# Altium PCB Mutiple.PcbDoc (part 1 of 3) (continued)
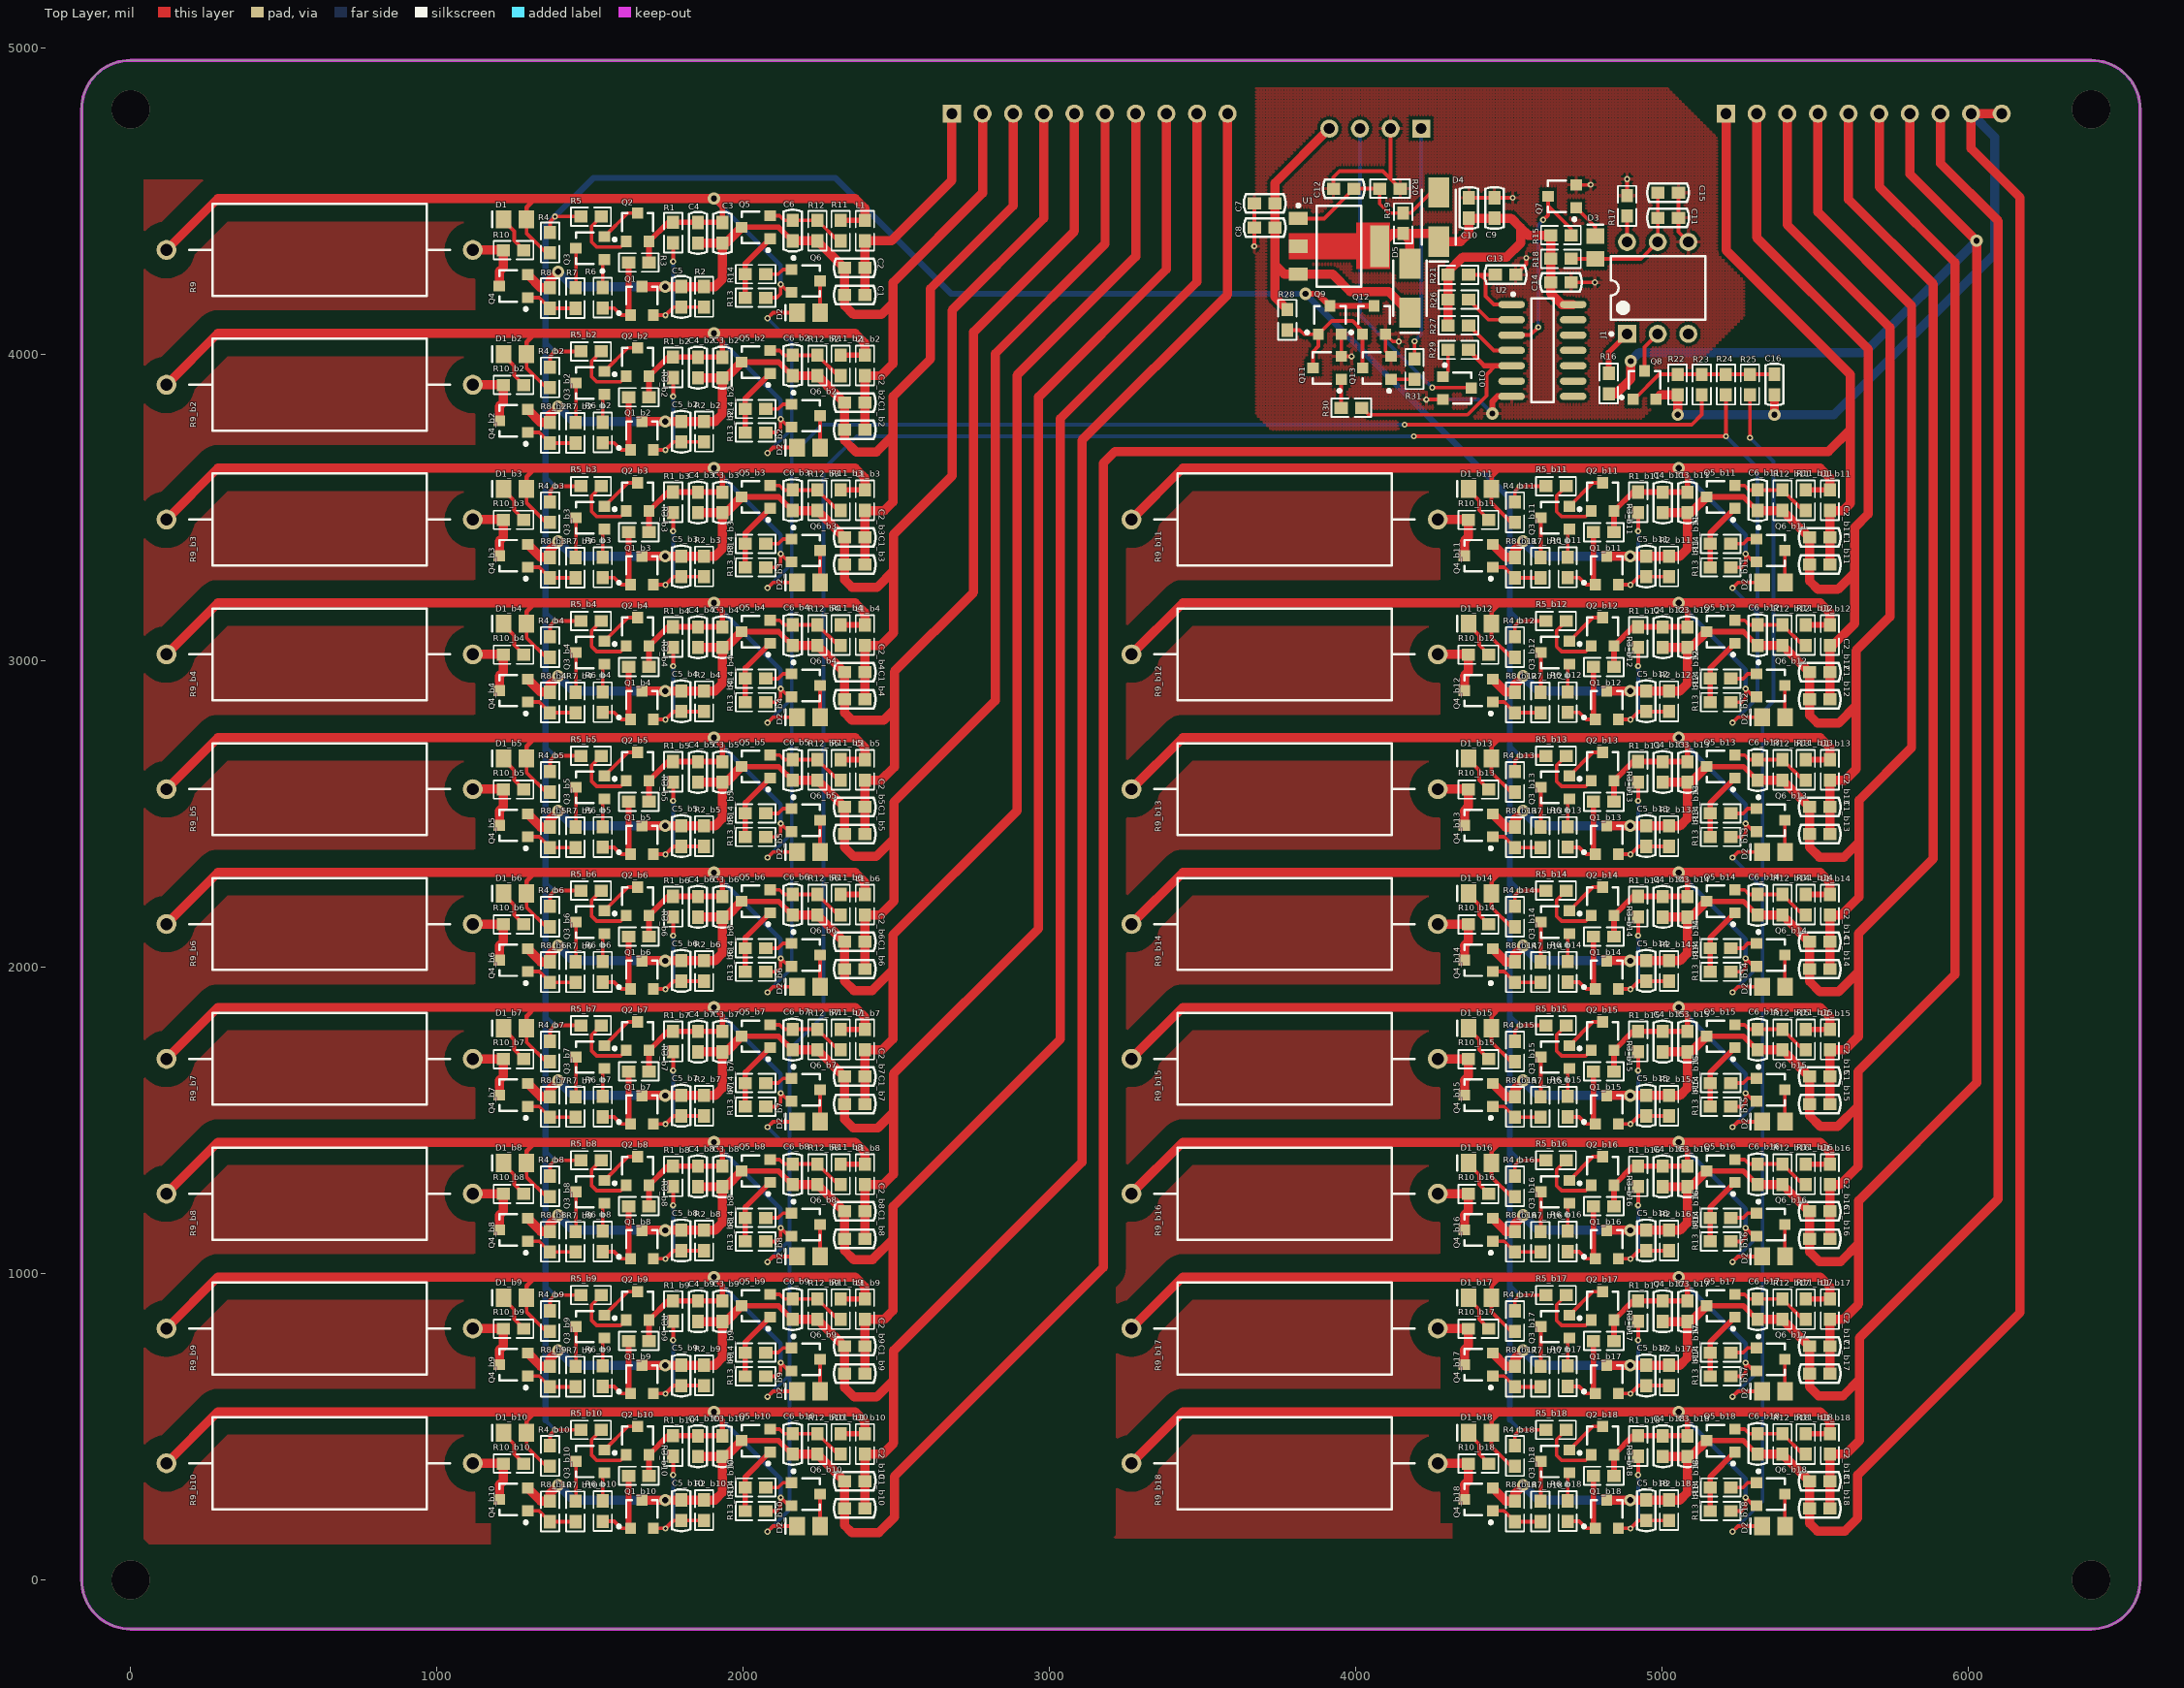
[diagram p0: Top Layer view]
## Components (designator, comment, footprint, x,y, rotation, side; value= is the part's Value field where it differs from the comment)
C1 "Cap-S" C-0603 2364,4194 r0 top
C1_b2 "Cap-S" C-0603 2364,3754 r0 top (schematic designator C1)
C1_b3 "Cap-S" C-0603 2364,3314 r0 top (schematic designator C1)
C1_b4 "Cap-S" C-0603 2364,2874 r0 top (schematic designator C1)
C1_b5 "Cap-S" C-0603 2364,2434 r0 top (schematic designator C1)
C1_b6 "Cap-S" C-0603 2364,1994 r0 top (schematic designator C1)
C1_b7 "Cap-S" C-0603 2364,1554 r0 top (schematic designator C1)
C1_b8 "Cap-S" C-0603 2364,1114 r0 top (schematic designator C1)
C1_b9 "Cap-S" C-0603 2364,674 r0 top (schematic designator C1)
C1_b10 "Cap-S" C-0603 2364,234 r0 top (schematic designator C1)
C1_b11 "Cap-S" C-0603 5514,3314 r0 top (schematic designator C1)
C1_b12 "Cap-S" C-0603 5514,2874 r0 top (schematic designator C1)
C1_b13 "Cap-S" C-0603 5514,2434 r0 top (schematic designator C1)
C1_b14 "Cap-S" C-0603 5514,1994 r0 top (schematic designator C1)
C1_b15 "Cap-S" C-0603 5514,1554 r0 top (schematic designator C1)
C1_b16 "Cap-S" C-0603 5514,1114 r0 top (schematic designator C1)
C1_b17 "Cap-S" C-0603 5514,674 r0 top (schematic designator C1)
C1_b18 "Cap-S" C-0603 5514,234 r0 top (schematic designator C1)
C2 "Cap-S" C-0603 2364,4283 r0 top
C2_b2 "Cap-S" C-0603 2364,3843 r0 top (schematic designator C2)
C2_b3 "Cap-S" C-0603 2364,3403 r0 top (schematic designator C2)
C2_b4 "Cap-S" C-0603 2364,2963 r0 top (schematic designator C2)
C2_b5 "Cap-S" C-0603 2364,2523 r0 top (schematic designator C2)
C2_b6 "Cap-S" C-0603 2364,2083 r0 top (schematic designator C2)
C2_b7 "Cap-S" C-0603 2364,1643 r0 top (schematic designator C2)
C2_b8 "Cap-S" C-0603 2364,1203 r0 top (schematic designator C2)
C2_b9 "Cap-S" C-0603 2364,763 r0 top (schematic designator C2)
C2_b10 "Cap-S" C-0603 2364,323 r0 top (schematic designator C2)
C2_b11 "Cap-S" C-0603 5514,3403 r0 top (schematic designator C2)
C2_b12 "Cap-S" C-0603 5514,2963 r0 top (schematic designator C2)
C2_b13 "Cap-S" C-0603 5514,2523 r0 top (schematic designator C2)
C2_b14 "Cap-S" C-0603 5514,2083 r0 top (schematic designator C2)
C2_b15 "Cap-S" C-0603 5514,1643 r0 top (schematic designator C2)
C2_b16 "Cap-S" C-0603 5514,1203 r0 top (schematic designator C2)
C2_b17 "Cap-S" C-0603 5514,763 r0 top (schematic designator C2)
C2_b18 "Cap-S" C-0603 5514,323 r0 top (schematic designator C2)
C3 "Cap-S" C-0603 1932,4397 r90 top
C3_b2 "Cap-S" C-0603 1932,3957 r90 top (schematic designator C3)
C3_b3 "Cap-S" C-0603 1932,3517 r90 top (schematic designator C3)
C3_b4 "Cap-S" C-0603 1932,3077 r90 top (schematic designator C3)
C3_b5 "Cap-S" C-0603 1932,2637 r90 top (schematic designator C3)
C3_b6 "Cap-S" C-0603 1932,2197 r90 top (schematic designator C3)
C3_b7 "Cap-S" C-0603 1932,1757 r90 top (schematic designator C3)
C3_b8 "Cap-S" C-0603 1932,1317 r90 top (schematic designator C3)
C3_b9 "Cap-S" C-0603 1932,877 r90 top (schematic designator C3)
C3_b10 "Cap-S" C-0603 1932,437 r90 top (schematic designator C3)
C3_b11 "Cap-S" C-0603 5082,3517 r90 top (schematic designator C3)
C3_b12 "Cap-S" C-0603 5082,3077 r90 top (schematic designator C3)
C3_b13 "Cap-S" C-0603 5082,2637 r90 top (schematic designator C3)
C3_b14 "Cap-S" C-0603 5082,2197 r90 top (schematic designator C3)
C3_b15 "Cap-S" C-0603 5082,1757 r90 top (schematic designator C3)
C3_b16 "Cap-S" C-0603 5082,1317 r90 top (schematic designator C3)
C3_b17 "Cap-S" C-0603 5082,877 r90 top (schematic designator C3)
C3_b18 "Cap-S" C-0603 5082,437 r90 top (schematic designator C3)
C4 "Cap-S" C-0603 1852,4397 r90 top
C4_b2 "Cap-S" C-0603 1852,3957 r90 top (schematic designator C4)
C4_b3 "Cap-S" C-0603 1852,3517 r90 top (schematic designator C4)
C4_b4 "Cap-S" C-0603 1852,3077 r90 top (schematic designator C4)
C4_b5 "Cap-S" C-0603 1852,2637 r90 top (schematic designator C4)
C4_b6 "Cap-S" C-0603 1852,2197 r90 top (schematic designator C4)
C4_b7 "Cap-S" C-0603 1852,1757 r90 top (schematic designator C4)
C4_b8 "Cap-S" C-0603 1852,1317 r90 top (schematic designator C4)
C4_b9 "Cap-S" C-0603 1852,877 r90 top (schematic designator C4)
C4_b10 "Cap-S" C-0603 1852,437 r90 top (schematic designator C4)
C4_b11 "Cap-S" C-0603 5002,3517 r90 top (schematic designator C4)
C4_b12 "Cap-S" C-0603 5002,3077 r90 top (schematic designator C4)
C4_b13 "Cap-S" C-0603 5002,2637 r90 top (schematic designator C4)
C4_b14 "Cap-S" C-0603 5002,2197 r90 top (schematic designator C4)
C4_b15 "Cap-S" C-0603 5002,1757 r90 top (schematic designator C4)
C4_b16 "Cap-S" C-0603 5002,1317 r90 top (schematic designator C4)
C4_b17 "Cap-S" C-0603 5002,877 r90 top (schematic designator C4)
C4_b18 "Cap-S" C-0603 5002,437 r90 top (schematic designator C4)
C5 "Cap-S" C-0603 1798,4188 r270 top
C5_b2 "Cap-S" C-0603 1798,3748 r270 top (schematic designator C5)
C5_b3 "Cap-S" C-0603 1798,3308 r270 top (schematic designator C5)
C5_b4 "Cap-S" C-0603 1798,2868 r270 top (schematic designator C5)
C5_b5 "Cap-S" C-0603 1798,2428 r270 top (schematic designator C5)
C5_b6 "Cap-S" C-0603 1798,1988 r270 top (schematic designator C5)
C5_b7 "Cap-S" C-0603 1798,1548 r270 top (schematic designator C5)
C5_b8 "Cap-S" C-0603 1798,1108 r270 top (schematic designator C5)
C5_b9 "Cap-S" C-0603 1798,668 r270 top (schematic designator C5)
C5_b10 "Cap-S" C-0603 1798,228 r270 top (schematic designator C5)
C5_b11 "Cap-S" C-0603 4948,3308 r270 top (schematic designator C5)
C5_b12 "Cap-S" C-0603 4948,2868 r270 top (schematic designator C5)
C5_b13 "Cap-S" C-0603 4948,2428 r270 top (schematic designator C5)
C5_b14 "Cap-S" C-0603 4948,1988 r270 top (schematic designator C5)
C5_b15 "Cap-S" C-0603 4948,1548 r270 top (schematic designator C5)
C5_b16 "Cap-S" C-0603 4948,1108 r270 top (schematic designator C5)
C5_b17 "Cap-S" C-0603 4948,668 r270 top (schematic designator C5)
C5_b18 "Cap-S" C-0603 4948,228 r270 top (schematic designator C5)
C6 "Cap-S" C-0603 2161,4404 r90 top
C6_b2 "Cap-S" C-0603 2161,3964 r90 top (schematic designator C6)
C6_b3 "Cap-S" C-0603 2161,3524 r90 top (schematic designator C6)
C6_b4 "Cap-S" C-0603 2161,3084 r90 top (schematic designator C6)
C6_b5 "Cap-S" C-0603 2161,2644 r90 top (schematic designator C6)
C6_b6 "Cap-S" C-0603 2161,2204 r90 top (schematic designator C6)
C6_b7 "Cap-S" C-0603 2161,1764 r90 top (schematic designator C6)
C6_b8 "Cap-S" C-0603 2161,1324 r90 top (schematic designator C6)
C6_b9 "Cap-S" C-0603 2161,884 r90 top (schematic designator C6)
C6_b10 "Cap-S" C-0603 2161,444 r90 top (schematic designator C6)
C6_b11 "Cap-S" C-0603 5311,3524 r90 top (schematic designator C6)
C6_b12 "Cap-S" C-0603 5311,3084 r90 top (schematic designator C6)
C6_b13 "Cap-S" C-0603 5311,2644 r90 top (schematic designator C6)
C6_b14 "Cap-S" C-0603 5311,2204 r90 top (schematic designator C6)
C6_b15 "Cap-S" C-0603 5311,1764 r90 top (schematic designator C6)
C6_b16 "Cap-S" C-0603 5311,1324 r90 top (schematic designator C6)
C6_b17 "Cap-S" C-0603 5311,884 r90 top (schematic designator C6)
C6_b18 "Cap-S" C-0603 5311,444 r90 top (schematic designator C6)
C7 "Cap-S" C-0603 3702,4493 r0 top
C8 "Cap-S" C-0603 3702,4414 r0 top
C9 "Cap-S" C-0603 4452,4478 r270 top
C10 "Cap-S" C-0603 4369,4478 r270 top
C11 "Cap-S" C-0603 5019,4446 r180 top
C12 "Cap-S" C-0603 3960,4541 r0 top
C13 "Cap-S" C-0603 4488,4260 r180 top
C14 "Cap-S" C-0603 4669,4235 r0 top
C15 "Cap-S" C-0603 5019,4528 r0 top
C16 "Cap-S" C-0603 5366,3902 r270 top
D1 "LED0" LED-0805 1255,4441 r180 top
D1_b2 "LED0" LED-0805 1255,4001 r180 top (schematic designator D1)
D1_b3 "LED0" LED-0805 1255,3561 r180 top (schematic designator D1)
D1_b4 "LED0" LED-0805 1255,3121 r180 top (schematic designator D1)
D1_b5 "LED0" LED-0805 1255,2681 r180 top (schematic designator D1)
D1_b6 "LED0" LED-0805 1255,2241 r180 top (schematic designator D1)
D1_b7 "LED0" LED-0805 1255,1801 r180 top (schematic designator D1)
D1_b8 "LED0" LED-0805 1255,1361 r180 top (schematic designator D1)
D1_b9 "LED0" LED-0805 1255,921 r180 top (schematic designator D1)
D1_b10 "LED0" LED-0805 1255,481 r180 top (schematic designator D1)
D1_b11 "LED0" LED-0805 4405,3561 r180 top (schematic designator D1)
D1_b12 "LED0" LED-0805 4405,3121 r180 top (schematic designator D1)
D1_b13 "LED0" LED-0805 4405,2681 r180 top (schematic designator D1)
D1_b14 "LED0" LED-0805 4405,2241 r180 top (schematic designator D1)
D1_b15 "LED0" LED-0805 4405,1801 r180 top (schematic designator D1)
D1_b16 "LED0" LED-0805 4405,1361 r180 top (schematic designator D1)
D1_b17 "LED0" LED-0805 4405,921 r180 top (schematic designator D1)
D1_b18 "LED0" LED-0805 4405,481 r180 top (schematic designator D1)
D2 "1N4148" LED-0805 2213,4136 r180 top
D2_b2 "1N4148" LED-0805 2213,3696 r180 top (schematic designator D2)
D2_b3 "1N4148" LED-0805 2213,3256 r180 top (schematic designator D2)
D2_b4 "1N4148" LED-0805 2213,2816 r180 top (schematic designator D2)
D2_b5 "1N4148" LED-0805 2213,2376 r180 top (schematic designator D2)
D2_b6 "1N4148" LED-0805 2213,1936 r180 top (schematic designator D2)
D2_b7 "1N4148" LED-0805 2213,1496 r180 top (schematic designator D2)
D2_b8 "1N4148" LED-0805 2213,1056 r180 top (schematic designator D2)
D2_b9 "1N4148" LED-0805 2213,616 r180 top (schematic designator D2)
D2_b10 "1N4148" LED-0805 2213,176 r180 top (schematic designator D2)
D2_b11 "1N4148" LED-0805 5363,3256 r180 top (schematic designator D2)
D2_b12 "1N4148" LED-0805 5363,2816 r180 top (schematic designator D2)
D2_b13 "1N4148" LED-0805 5363,2376 r180 top (schematic designator D2)
D2_b14 "1N4148" LED-0805 5363,1936 r180 top (schematic designator D2)
D2_b15 "1N4148" LED-0805 5363,1496 r180 top (schematic designator D2)
D2_b16 "1N4148" LED-0805 5363,1056 r180 top (schematic designator D2)
D2_b17 "1N4148" LED-0805 5363,616 r180 top (schematic designator D2)
D2_b18 "1N4148" LED-0805 5363,176 r180 top (schematic designator D2)
D3 "1N4148" LED-0805 4781,4349 r90 top
D4 "1N4002" D-SMA 4270,4448 r270 top
D5 "1N4002" D-SMA 4176,4216 r270 top
J1 "CNY17-1" DIP-6 4985,4217 r90 top
L1 "Inductor" 0603-1 2397,4404 r90 top
L1_b2 "Inductor" 0603-1 2397,3964 r90 top (schematic designator L1)
L1_b3 "Inductor" 0603-1 2397,3524 r90 top (schematic designator L1)
L1_b4 "Inductor" 0603-1 2397,3084 r90 top (schematic designator L1)
L1_b5 "Inductor" 0603-1 2397,2644 r90 top (schematic designator L1)
L1_b6 "Inductor" 0603-1 2397,2204 r90 top (schematic designator L1)
L1_b7 "Inductor" 0603-1 2397,1764 r90 top (schematic designator L1)
L1_b8 "Inductor" 0603-1 2397,1324 r90 top (schematic designator L1)
L1_b9 "Inductor" 0603-1 2397,884 r90 top (schematic designator L1)
L1_b10 "Inductor" 0603-1 2397,444 r90 top (schematic designator L1)
L1_b11 "Inductor" 0603-1 5547,3524 r90 top (schematic designator L1)
L1_b12 "Inductor" 0603-1 5547,3084 r90 top (schematic designator L1)
L1_b13 "Inductor" 0603-1 5547,2644 r90 top (schematic designator L1)
L1_b14 "Inductor" 0603-1 5547,2204 r90 top (schematic designator L1)
L1_b15 "Inductor" 0603-1 5547,1764 r90 top (schematic designator L1)
L1_b16 "Inductor" 0603-1 5547,1324 r90 top (schematic designator L1)
L1_b17 "Inductor" 0603-1 5547,884 r90 top (schematic designator L1)
L1_b18 "Inductor" 0603-1 5547,444 r90 top (schematic designator L1)
P1 "Header 10" HDR10X1-2.54 3181,4786 r0 bottom
P2 "Header 10" HDR10X1-2.54 5708,4786 r0 bottom
P3 "Header 4" XH2.54-4P 4063,4737 r180 bottom
Q1 "TL431" SOT23-3 1669,4175 r0 top
Q1_b2 "TL431" SOT23-3 1669,3735 r0 top (schematic designator Q1)
Q1_b3 "TL431" SOT23-3 1669,3295 r0 top (schematic designator Q1)
Q1_b4 "TL431" SOT23-3 1669,2855 r0 top (schematic designator Q1)
Q1_b5 "TL431" SOT23-3 1669,2415 r0 top (schematic designator Q1)
Q1_b6 "TL431" SOT23-3 1669,1975 r0 top (schematic designator Q1)
Q1_b7 "TL431" SOT23-3 1669,1535 r0 top (schematic designator Q1)
Q1_b8 "TL431" SOT23-3 1669,1095 r0 top (schematic designator Q1)
Q1_b9 "TL431" SOT23-3 1669,655 r0 top (schematic designator Q1)
Q1_b10 "TL431" SOT23-3 1669,215 r0 top (schematic designator Q1)
Q1_b11 "TL431" SOT23-3 4819,3295 r0 top (schematic designator Q1)
Q1_b12 "TL431" SOT23-3 4819,2855 r0 top (schematic designator Q1)
Q1_b13 "TL431" SOT23-3 4819,2415 r0 top (schematic designator Q1)
Q1_b14 "TL431" SOT23-3 4819,1975 r0 top (schematic designator Q1)
Q1_b15 "TL431" SOT23-3 4819,1535 r0 top (schematic designator Q1)
Q1_b16 "TL431" SOT23-3 4819,1095 r0 top (schematic designator Q1)
Q1_b17 "TL431" SOT23-3 4819,655 r0 top (schematic designator Q1)
Q1_b18 "TL431" SOT23-3 4819,215 r0 top (schematic designator Q1)
Q2 "MMBT3906" SOT23-3 1655,4415 r0 top
Q2_b2 "MMBT3906" SOT23-3 1655,3975 r0 top (schematic designator Q2)
Q2_b3 "MMBT3906" SOT23-3 1655,3535 r0 top (schematic designator Q2)
Q2_b4 "MMBT3906" SOT23-3 1655,3095 r0 top (schematic designator Q2)
Q2_b5 "MMBT3906" SOT23-3 1655,2655 r0 top (schematic designator Q2)
Q2_b6 "MMBT3906" SOT23-3 1655,2215 r0 top (schematic designator Q2)
Q2_b7 "MMBT3906" SOT23-3 1655,1775 r0 top (schematic designator Q2)
Q2_b8 "MMBT3906" SOT23-3 1655,1335 r0 top (schematic designator Q2)
Q2_b9 "MMBT3906" SOT23-3 1655,895 r0 top (schematic designator Q2)
Q2_b10 "MMBT3906" SOT23-3 1655,455 r0 top (schematic designator Q2)
Q2_b11 "MMBT3906" SOT23-3 4805,3535 r0 top (schematic designator Q2)
Q2_b12 "MMBT3906" SOT23-3 4805,3095 r0 top (schematic designator Q2)
Q2_b13 "MMBT3906" SOT23-3 4805,2655 r0 top (schematic designator Q2)
Q2_b14 "MMBT3906" SOT23-3 4805,2215 r0 top (schematic designator Q2)
Q2_b15 "MMBT3906" SOT23-3 4805,1775 r0 top (schematic designator Q2)
Q2_b16 "MMBT3906" SOT23-3 4805,1335 r0 top (schematic designator Q2)
Q2_b17 "MMBT3906" SOT23-3 4805,895 r0 top (schematic designator Q2)
Q2_b18 "MMBT3906" SOT23-3 4805,455 r0 top (schematic designator Q2)
Q3 "MMBT3906" SOT23-3 1500,4347 r90 top
Q3_b2 "MMBT3906" SOT23-3 1500,3907 r90 top (schematic designator Q3)
Q3_b3 "MMBT3906" SOT23-3 1500,3467 r90 top (schematic designator Q3)
Q3_b4 "MMBT3906" SOT23-3 1500,3027 r90 top (schematic designator Q3)
Q3_b5 "MMBT3906" SOT23-3 1500,2587 r90 top (schematic designator Q3)
Q3_b6 "MMBT3906" SOT23-3 1500,2147 r90 top (schematic designator Q3)
Q3_b7 "MMBT3906" SOT23-3 1500,1707 r90 top (schematic designator Q3)
Q3_b8 "MMBT3906" SOT23-3 1500,1267 r90 top (schematic designator Q3)
Q3_b9 "MMBT3906" SOT23-3 1500,827 r90 top (schematic designator Q3)
Q3_b10 "MMBT3906" SOT23-3 1500,387 r90 top (schematic designator Q3)
Q3_b11 "MMBT3906" SOT23-3 4650,3467 r90 top (schematic designator Q3)
Q3_b12 "MMBT3906" SOT23-3 4650,3027 r90 top (schematic designator Q3)
Q3_b13 "MMBT3906" SOT23-3 4650,2587 r90 top (schematic designator Q3)
Q3_b14 "MMBT3906" SOT23-3 4650,2147 r90 top (schematic designator Q3)
Q3_b15 "MMBT3906" SOT23-3 4650,1707 r90 top (schematic designator Q3)
Q3_b16 "MMBT3906" SOT23-3 4650,1267 r90 top (schematic designator Q3)
Q3_b17 "MMBT3906" SOT23-3 4650,827 r90 top (schematic designator Q3)
Q3_b18 "MMBT3906" SOT23-3 4650,387 r90 top (schematic designator Q3)
Q4 "MOSFET-N" SOT23-3 1250,4223 r90 top
Q4_b2 "MOSFET-N" SOT23-3 1250,3783 r90 top (schematic designator Q4)
Q4_b3 "MOSFET-N" SOT23-3 1250,3343 r90 top (schematic designator Q4)
Q4_b4 "MOSFET-N" SOT23-3 1250,2903 r90 top (schematic designator Q4)
Q4_b5 "MOSFET-N" SOT23-3 1250,2463 r90 top (schematic designator Q4)
Q4_b6 "MOSFET-N" SOT23-3 1250,2023 r90 top (schematic designator Q4)
Q4_b7 "MOSFET-N" SOT23-3 1250,1583 r90 top (schematic designator Q4)
Q4_b8 "MOSFET-N" SOT23-3 1250,1143 r90 top (schematic designator Q4)
Q4_b9 "MOSFET-N" SOT23-3 1250,703 r90 top (schematic designator Q4)
Q4_b10 "MOSFET-N" SOT23-3 1250,263 r90 top (schematic designator Q4)
Q4_b11 "MOSFET-N" SOT23-3 4400,3343 r90 top (schematic designator Q4)
Q4_b12 "MOSFET-N" SOT23-3 4400,2903 r90 top (schematic designator Q4)
Q4_b13 "MOSFET-N" SOT23-3 4400,2463 r90 top (schematic designator Q4)
Q4_b14 "MOSFET-N" SOT23-3 4400,2023 r90 top (schematic designator Q4)
Q4_b15 "MOSFET-N" SOT23-3 4400,1583 r90 top (schematic designator Q4)
Q4_b16 "MOSFET-N" SOT23-3 4400,1143 r90 top (schematic designator Q4)
Q4_b17 "MOSFET-N" SOT23-3 4400,703 r90 top (schematic designator Q4)
Q4_b18 "MOSFET-N" SOT23-3 4400,263 r90 top (schematic designator Q4)
Q5 "TL431" SOT23-3 2041,4415 r90 top
Q5_b2 "TL431" SOT23-3 2041,3975 r90 top (schematic designator Q5)
Q5_b3 "TL431" SOT23-3 2041,3535 r90 top (schematic designator Q5)
Q5_b4 "TL431" SOT23-3 2041,3095 r90 top (schematic designator Q5)
Q5_b5 "TL431" SOT23-3 2041,2655 r90 top (schematic designator Q5)
Q5_b6 "TL431" SOT23-3 2041,2215 r90 top (schematic designator Q5)
Q5_b7 "TL431" SOT23-3 2041,1775 r90 top (schematic designator Q5)
Q5_b8 "TL431" SOT23-3 2041,1335 r90 top (schematic designator Q5)
Q5_b9 "TL431" SOT23-3 2041,895 r90 top (schematic designator Q5)
Q5_b10 "TL431" SOT23-3 2041,455 r90 top (schematic designator Q5)
Q5_b11 "TL431" SOT23-3 5191,3535 r90 top (schematic designator Q5)
Q5_b12 "TL431" SOT23-3 5191,3095 r90 top (schematic designator Q5)
Q5_b13 "TL431" SOT23-3 5191,2655 r90 top (schematic designator Q5)
Q5_b14 "TL431" SOT23-3 5191,2215 r90 top (schematic designator Q5)
Q5_b15 "TL431" SOT23-3 5191,1775 r90 top (schematic designator Q5)
Q5_b16 "TL431" SOT23-3 5191,1335 r90 top (schematic designator Q5)
Q5_b17 "TL431" SOT23-3 5191,895 r90 top (schematic designator Q5)
Q5_b18 "TL431" SOT23-3 5191,455 r90 top (schematic designator Q5)
Q6 "MMBT3906" SOT23-3 2204,4240 r270 top
Q6_b2 "MMBT3906" SOT23-3 2204,3800 r270 top (schematic designator Q6)
Q6_b3 "MMBT3906" SOT23-3 2204,3360 r270 top (schematic designator Q6)
Q6_b4 "MMBT3906" SOT23-3 2204,2920 r270 top (schematic designator Q6)
Q6_b5 "MMBT3906" SOT23-3 2204,2480 r270 top (schematic designator Q6)
Q6_b6 "MMBT3906" SOT23-3 2204,2040 r270 top (schematic designator Q6)
Q6_b7 "MMBT3906" SOT23-3 2204,1600 r270 top (schematic designator Q6)
Q6_b8 "MMBT3906" SOT23-3 2204,1160 r270 top (schematic designator Q6)
Q6_b9 "MMBT3906" SOT23-3 2204,720 r270 top (schematic designator Q6)
Q6_b10 "MMBT3906" SOT23-3 2204,280 r270 top (schematic designator Q6)
Q6_b11 "MMBT3906" SOT23-3 5354,3360 r270 top (schematic designator Q6)
Q6_b12 "MMBT3906" SOT23-3 5354,2920 r270 top (schematic designator Q6)
Q6_b13 "MMBT3906" SOT23-3 5354,2480 r270 top (schematic designator Q6)
Q6_b14 "MMBT3906" SOT23-3 5354,2040 r270 top (schematic designator Q6)
Q6_b15 "MMBT3906" SOT23-3 5354,1600 r270 top (schematic designator Q6)
Q6_b16 "MMBT3906" SOT23-3 5354,1160 r270 top (schematic designator Q6)
Q6_b17 "MMBT3906" SOT23-3 5354,720 r270 top (schematic designator Q6)
Q6_b18 "MMBT3906" SOT23-3 5354,280 r270 top (schematic designator Q6)
Q7 "MMBT3904" SOT23-3 4673,4516 r90 top
Q8 "MMBT3904" SOT23-3 4942,3900 r0 top
Q9 "MMBT3904" SOT23-3 3915,4112 r0 top
Q10 "MMBT3904" SOT23-3 4330,3890 r270 top
Q11 "MMBT3904" SOT23-3 3906,3956 r90 top
Q12 "MMBT3904" SOT23-3 4059,4112 r0 top
Q13 "MMBT3904" SOT23-3 4068,3956 r90 top
R1 "Res1" 0603-1 1771,4397.54 r90 top
R1_b2 "Res1" 0603-1 1771,3957.54 r90 top (schematic designator R1)
R1_b3 "Res1" 0603-1 1771,3517.54 r90 top (schematic designator R1)
R1_b4 "Res1" 0603-1 1771,3077.54 r90 top (schematic designator R1)
R1_b5 "Res1" 0603-1 1771,2637.54 r90 top (schematic designator R1)
R1_b6 "Res1" 0603-1 1771,2197.54 r90 top (schematic designator R1)
R1_b7 "Res1" 0603-1 1771,1757.54 r90 top (schematic designator R1)
R1_b8 "Res1" 0603-1 1771,1317.54 r90 top (schematic designator R1)
R1_b9 "Res1" 0603-1 1771,877.54 r90 top (schematic designator R1)
R1_b10 "Res1" 0603-1 1771,437.54 r90 top (schematic designator R1)
R1_b11 "Res1" 0603-1 4921,3517.54 r90 top (schematic designator R1)
R1_b12 "Res1" 0603-1 4921,3077.54 r90 top (schematic designator R1)
R1_b13 "Res1" 0603-1 4921,2637.54 r90 top (schematic designator R1)
R1_b14 "Res1" 0603-1 4921,2197.54 r90 top (schematic designator R1)
R1_b15 "Res1" 0603-1 4921,1757.54 r90 top (schematic designator R1)
R1_b16 "Res1" 0603-1 4921,1317.54 r90 top (schematic designator R1)
R1_b17 "Res1" 0603-1 4921,877.54 r90 top (schematic designator R1)
R1_b18 "Res1" 0603-1 4921,437.54 r90 top (schematic designator R1)
R2 "Res1" 0603-1 1872,4188 r270 top
R2_b2 "Res1" 0603-1 1872,3748 r270 top (schematic designator R2)
R2_b3 "Res1" 0603-1 1872,3308 r270 top (schematic designator R2)
R2_b4 "Res1" 0603-1 1872,2868 r270 top (schematic designator R2)
R2_b5 "Res1" 0603-1 1872,2428 r270 top (schematic designator R2)
R2_b6 "Res1" 0603-1 1872,1988 r270 top (schematic designator R2)
R2_b7 "Res1" 0603-1 1872,1548 r270 top (schematic designator R2)
R2_b8 "Res1" 0603-1 1872,1108 r270 top (schematic designator R2)
R2_b9 "Res1" 0603-1 1872,668 r270 top (schematic designator R2)
R2_b10 "Res1" 0603-1 1872,228 r270 top (schematic designator R2)
R2_b11 "Res1" 0603-1 5022,3308 r270 top (schematic designator R2)
R2_b12 "Res1" 0603-1 5022,2868 r270 top (schematic designator R2)
R2_b13 "Res1" 0603-1 5022,2428 r270 top (schematic designator R2)
R2_b14 "Res1" 0603-1 5022,1988 r270 top (schematic designator R2)
R2_b15 "Res1" 0603-1 5022,1548 r270 top (schematic designator R2)
R2_b16 "Res1" 0603-1 5022,1108 r270 top (schematic designator R2)
R2_b17 "Res1" 0603-1 5022,668 r270 top (schematic designator R2)
R2_b18 "Res1" 0603-1 5022,228 r270 top (schematic designator R2)
R3 "Res1" 0603-1 1659,4300 r0 top
R3_b2 "Res1" 0603-1 1659,3860 r0 top (schematic designator R3)
R3_b3 "Res1" 0603-1 1659,3420 r0 top (schematic designator R3)
R3_b4 "Res1" 0603-1 1659,2980 r0 top (schematic designator R3)
R3_b5 "Res1" 0603-1 1659,2540 r0 top (schematic designator R3)
R3_b6 "Res1" 0603-1 1659,2100 r0 top (schematic designator R3)
R3_b7 "Res1" 0603-1 1659,1660 r0 top (schematic designator R3)
R3_b8 "Res1" 0603-1 1659,1220 r0 top (schematic designator R3)
R3_b9 "Res1" 0603-1 1659,780 r0 top (schematic designator R3)
R3_b10 "Res1" 0603-1 1659,340 r0 top (schematic designator R3)
R3_b11 "Res1" 0603-1 4809,3420 r0 top (schematic designator R3)
R3_b12 "Res1" 0603-1 4809,2980 r0 top (schematic designator R3)
R3_b13 "Res1" 0603-1 4809,2540 r0 top (schematic designator R3)
R3_b14 "Res1" 0603-1 4809,2100 r0 top (schematic designator R3)
R3_b15 "Res1" 0603-1 4809,1660 r0 top (schematic designator R3)
R3_b16 "Res1" 0603-1 4809,1220 r0 top (schematic designator R3)
R3_b17 "Res1" 0603-1 4809,780 r0 top (schematic designator R3)
R3_b18 "Res1" 0603-1 4809,340 r0 top (schematic designator R3)
R4 "Res1" 0603-1 1369,4365 r90 top
R4_b2 "Res1" 0603-1 1369,3925 r90 top (schematic designator R4)
R4_b3 "Res1" 0603-1 1369,3485 r90 top (schematic designator R4)
R4_b4 "Res1" 0603-1 1369,3045 r90 top (schematic designator R4)
R4_b5 "Res1" 0603-1 1369,2605 r90 top (schematic designator R4)
R4_b6 "Res1" 0603-1 1369,2165 r90 top (schematic designator R4)
R4_b7 "Res1" 0603-1 1369,1725 r90 top (schematic designator R4)
R4_b8 "Res1" 0603-1 1369,1285 r90 top (schematic designator R4)
R4_b9 "Res1" 0603-1 1369,845 r90 top (schematic designator R4)
R4_b10 "Res1" 0603-1 1369,405 r90 top (schematic designator R4)
R4_b11 "Res1" 0603-1 4519,3485 r90 top (schematic designator R4)
R4_b12 "Res1" 0603-1 4519,3045 r90 top (schematic designator R4)
R4_b13 "Res1" 0603-1 4519,2605 r90 top (schematic designator R4)
R4_b14 "Res1" 0603-1 4519,2165 r90 top (schematic designator R4)
R4_b15 "Res1" 0603-1 4519,1725 r90 top (schematic designator R4)
R4_b16 "Res1" 0603-1 4519,1285 r90 top (schematic designator R4)
R4_b17 "Res1" 0603-1 4519,845 r90 top (schematic designator R4)
R4_b18 "Res1" 0603-1 4519,405 r90 top (schematic designator R4)
R5 "Res1" 0603-1 1503,4450 r180 top
R5_b2 "Res1" 0603-1 1503,4010 r180 top (schematic designator R5)
R5_b3 "Res1" 0603-1 1503,3570 r180 top (schematic designator R5)
R5_b4 "Res1" 0603-1 1503,3130 r180 top (schematic designator R5)
R5_b5 "Res1" 0603-1 1503,2690 r180 top (schematic designator R5)
R5_b6 "Res1" 0603-1 1503,2250 r180 top (schematic designator R5)
R5_b7 "Res1" 0603-1 1503,1810 r180 top (schematic designator R5)
R5_b8 "Res1" 0603-1 1503,1370 r180 top (schematic designator R5)
R5_b9 "Res1" 0603-1 1503,930 r180 top (schematic designator R5)
R5_b10 "Res1" 0603-1 1503,490 r180 top (schematic designator R5)
R5_b11 "Res1" 0603-1 4653,3570 r180 top (schematic designator R5)
R5_b12 "Res1" 0603-1 4653,3130 r180 top (schematic designator R5)
R5_b13 "Res1" 0603-1 4653,2690 r180 top (schematic designator R5)
R5_b14 "Res1" 0603-1 4653,2250 r180 top (schematic designator R5)
R5_b15 "Res1" 0603-1 4653,1810 r180 top (schematic designator R5)
R5_b16 "Res1" 0603-1 4653,1370 r180 top (schematic designator R5)
R5_b17 "Res1" 0603-1 4653,930 r180 top (schematic designator R5)
R5_b18 "Res1" 0603-1 4653,490 r180 top (schematic designator R5)
R6 "Res1" 0603-1 1541,4185 r270 top
R6_b2 "Res1" 0603-1 1541,3745 r270 top (schematic designator R6)
R6_b3 "Res1" 0603-1 1541,3305 r270 top (schematic designator R6)
R6_b4 "Res1" 0603-1 1541,2865 r270 top (schematic designator R6)
R6_b5 "Res1" 0603-1 1541,2425 r270 top (schematic designator R6)
R6_b6 "Res1" 0603-1 1541,1985 r270 top (schematic designator R6)
R6_b7 "Res1" 0603-1 1541,1545 r270 top (schematic designator R6)
R6_b8 "Res1" 0603-1 1541,1105 r270 top (schematic designator R6)
R6_b9 "Res1" 0603-1 1541,665 r270 top (schematic designator R6)
R6_b10 "Res1" 0603-1 1541,225 r270 top (schematic designator R6)
R6_b11 "Res1" 0603-1 4691,3305 r270 top (schematic designator R6)
R6_b12 "Res1" 0603-1 4691,2865 r270 top (schematic designator R6)
R6_b13 "Res1" 0603-1 4691,2425 r270 top (schematic designator R6)
R6_b14 "Res1" 0603-1 4691,1985 r270 top (schematic designator R6)
R6_b15 "Res1" 0603-1 4691,1545 r270 top (schematic designator R6)
R6_b16 "Res1" 0603-1 4691,1105 r270 top (schematic designator R6)
R6_b17 "Res1" 0603-1 4691,665 r270 top (schematic designator R6)
R6_b18 "Res1" 0603-1 4691,225 r270 top (schematic designator R6)
R7 "Res1" 0603-1 1452,4184 r270 top
R7_b2 "Res1" 0603-1 1452,3744 r270 top (schematic designator R7)
R7_b3 "Res1" 0603-1 1452,3304 r270 top (schematic designator R7)
R7_b4 "Res1" 0603-1 1452,2864 r270 top (schematic designator R7)
R7_b5 "Res1" 0603-1 1452,2424 r270 top (schematic designator R7)
R7_b6 "Res1" 0603-1 1452,1984 r270 top (schematic designator R7)
R7_b7 "Res1" 0603-1 1452,1544 r270 top (schematic designator R7)
R7_b8 "Res1" 0603-1 1452,1104 r270 top (schematic designator R7)
R7_b9 "Res1" 0603-1 1452,664 r270 top (schematic designator R7)
R7_b10 "Res1" 0603-1 1452,224 r270 top (schematic designator R7)
R7_b11 "Res1" 0603-1 4602,3304 r270 top (schematic designator R7)
R7_b12 "Res1" 0603-1 4602,2864 r270 top (schematic designator R7)
R7_b13 "Res1" 0603-1 4602,2424 r270 top (schematic designator R7)
R7_b14 "Res1" 0603-1 4602,1984 r270 top (schematic designator R7)
R7_b15 "Res1" 0603-1 4602,1544 r270 top (schematic designator R7)
R7_b16 "Res1" 0603-1 4602,1104 r270 top (schematic designator R7)
R7_b17 "Res1" 0603-1 4602,664 r270 top (schematic designator R7)
R7_b18 "Res1" 0603-1 4602,224 r270 top (schematic designator R7)
R8 "Res1" 0603-1 1369,4184 r270 top
R8_b2 "Res1" 0603-1 1369,3744 r270 top (schematic designator R8)
R8_b3 "Res1" 0603-1 1369,3304 r270 top (schematic designator R8)
R8_b4 "Res1" 0603-1 1369,2864 r270 top (schematic designator R8)
R8_b5 "Res1" 0603-1 1369,2424 r270 top (schematic designator R8)
R8_b6 "Res1" 0603-1 1369,1984 r270 top (schematic designator R8)
R8_b7 "Res1" 0603-1 1369,1544 r270 top (schematic designator R8)
R8_b8 "Res1" 0603-1 1369,1104 r270 top (schematic designator R8)
R8_b9 "Res1" 0603-1 1369,664 r270 top (schematic designator R8)
R8_b10 "Res1" 0603-1 1369,224 r270 top (schematic designator R8)
R8_b11 "Res1" 0603-1 4519,3304 r270 top (schematic designator R8)
R8_b12 "Res1" 0603-1 4519,2864 r270 top (schematic designator R8)
R8_b13 "Res1" 0603-1 4519,2424 r270 top (schematic designator R8)
R8_b14 "Res1" 0603-1 4519,1984 r270 top (schematic designator R8)
R8_b15 "Res1" 0603-1 4519,1544 r270 top (schematic designator R8)
R8_b16 "Res1" 0603-1 4519,1104 r270 top (schematic designator R8)
R8_b17 "Res1" 0603-1 4519,664 r270 top (schematic designator R8)
R8_b18 "Res1" 0603-1 4519,224 r270 top (schematic designator R8)
R9 "Res1" AXIAL-1.0 617,4341 r180 top
R9_b2 "Res1" AXIAL-1.0 617,3901 r180 top (schematic designator R9)
R9_b3 "Res1" AXIAL-1.0 617,3461 r180 top (schematic designator R9)
R9_b4 "Res1" AXIAL-1.0 617,3021 r180 top (schematic designator R9)
R9_b5 "Res1" AXIAL-1.0 617,2581 r180 top (schematic designator R9)
R9_b6 "Res1" AXIAL-1.0 617,2141 r180 top (schematic designator R9)
R9_b7 "Res1" AXIAL-1.0 617,1701 r180 top (schematic designator R9)
R9_b8 "Res1" AXIAL-1.0 617,1261 r180 top (schematic designator R9)
R9_b9 "Res1" AXIAL-1.0 617,821 r180 top (schematic designator R9)
R9_b10 "Res1" AXIAL-1.0 617,381 r180 top (schematic designator R9)
R9_b11 "Res1" AXIAL-1.0 3767,3461 r180 top (schematic designator R9)
R9_b12 "Res1" AXIAL-1.0 3767,3021 r180 top (schematic designator R9)
R9_b13 "Res1" AXIAL-1.0 3767,2581 r180 top (schematic designator R9)
R9_b14 "Res1" AXIAL-1.0 3767,2141 r180 top (schematic designator R9)
R9_b15 "Res1" AXIAL-1.0 3767,1701 r180 top (schematic designator R9)
R9_b16 "Res1" AXIAL-1.0 3767,1261 r180 top (schematic designator R9)
R9_b17 "Res1" AXIAL-1.0 3767,821 r180 top (schematic designator R9)
R9_b18 "Res1" AXIAL-1.0 3767,381 r180 top (schematic designator R9)
R10 "Res1" 0603-1 1250,4340 r0 top
R10_b2 "Res1" 0603-1 1250,3900 r0 top (schematic designator R10)
R10_b3 "Res1" 0603-1 1250,3460 r0 top (schematic designator R10)
R10_b4 "Res1" 0603-1 1250,3020 r0 top (schematic designator R10)
R10_b5 "Res1" 0603-1 1250,2580 r0 top (schematic designator R10)
R10_b6 "Res1" 0603-1 1250,2140 r0 top (schematic designator R10)
R10_b7 "Res1" 0603-1 1250,1700 r0 top (schematic designator R10)
R10_b8 "Res1" 0603-1 1250,1260 r0 top (schematic designator R10)
R10_b9 "Res1" 0603-1 1250,820 r0 top (schematic designator R10)
R10_b10 "Res1" 0603-1 1250,380 r0 top (schematic designator R10)
R10_b11 "Res1" 0603-1 4400,3460 r0 top (schematic designator R10)
R10_b12 "Res1" 0603-1 4400,3020 r0 top (schematic designator R10)
R10_b13 "Res1" 0603-1 4400,2580 r0 top (schematic designator R10)
R10_b14 "Res1" 0603-1 4400,2140 r0 top (schematic designator R10)
R10_b15 "Res1" 0603-1 4400,1700 r0 top (schematic designator R10)
R10_b16 "Res1" 0603-1 4400,1260 r0 top (schematic designator R10)
R10_b17 "Res1" 0603-1 4400,820 r0 top (schematic designator R10)
R10_b18 "Res1" 0603-1 4400,380 r0 top (schematic designator R10)
R11 "Res1" 0603-1 2318,4404 r90 top
R11_b2 "Res1" 0603-1 2318,3964 r90 top (schematic designator R11)
R11_b3 "Res1" 0603-1 2318,3524 r90 top (schematic designator R11)
R11_b4 "Res1" 0603-1 2318,3084 r90 top (schematic designator R11)
R11_b5 "Res1" 0603-1 2318,2644 r90 top (schematic designator R11)
R11_b6 "Res1" 0603-1 2318,2204 r90 top (schematic designator R11)
R11_b7 "Res1" 0603-1 2318,1764 r90 top (schematic designator R11)
R11_b8 "Res1" 0603-1 2318,1324 r90 top (schematic designator R11)
R11_b9 "Res1" 0603-1 2318,884 r90 top (schematic designator R11)
R11_b10 "Res1" 0603-1 2318,444 r90 top (schematic designator R11)
R11_b11 "Res1" 0603-1 5468,3524 r90 top (schematic designator R11)
R11_b12 "Res1" 0603-1 5468,3084 r90 top (schematic designator R11)
R11_b13 "Res1" 0603-1 5468,2644 r90 top (schematic designator R11)
R11_b14 "Res1" 0603-1 5468,2204 r90 top (schematic designator R11)
R11_b15 "Res1" 0603-1 5468,1764 r90 top (schematic designator R11)
R11_b16 "Res1" 0603-1 5468,1324 r90 top (schematic designator R11)
R11_b17 "Res1" 0603-1 5468,884 r90 top (schematic designator R11)
R11_b18 "Res1" 0603-1 5468,444 r90 top (schematic designator R11)
R12 "Res1" 0603-1 2242,4404 r90 top
R12_b2 "Res1" 0603-1 2242,3964 r90 top (schematic designator R12)
R12_b3 "Res1" 0603-1 2242,3524 r90 top (schematic designator R12)
R12_b4 "Res1" 0603-1 2242,3084 r90 top (schematic designator R12)
R12_b5 "Res1" 0603-1 2242,2644 r90 top (schematic designator R12)
R12_b6 "Res1" 0603-1 2242,2204 r90 top (schematic designator R12)
R12_b7 "Res1" 0603-1 2242,1764 r90 top (schematic designator R12)
R12_b8 "Res1" 0603-1 2242,1324 r90 top (schematic designator R12)
R12_b9 "Res1" 0603-1 2242,884 r90 top (schematic designator R12)
R12_b10 "Res1" 0603-1 2242,444 r90 top (schematic designator R12)
R12_b11 "Res1" 0603-1 5392,3524 r90 top (schematic designator R12)
R12_b12 "Res1" 0603-1 5392,3084 r90 top (schematic designator R12)
R12_b13 "Res1" 0603-1 5392,2644 r90 top (schematic designator R12)
R12_b14 "Res1" 0603-1 5392,2204 r90 top (schematic designator R12)
R12_b15 "Res1" 0603-1 5392,1764 r90 top (schematic designator R12)
R12_b16 "Res1" 0603-1 5392,1324 r90 top (schematic designator R12)
R12_b17 "Res1" 0603-1 5392,884 r90 top (schematic designator R12)
R12_b18 "Res1" 0603-1 5392,444 r90 top (schematic designator R12)
R13 "Res1" 0603-1 2040,4185 r0 top
R13_b2 "Res1" 0603-1 2040,3745 r0 top (schematic designator R13)
R13_b3 "Res1" 0603-1 2040,3305 r0 top (schematic designator R13)
R13_b4 "Res1" 0603-1 2040,2865 r0 top (schematic designator R13)
R13_b5 "Res1" 0603-1 2040,2425 r0 top (schematic designator R13)
R13_b6 "Res1" 0603-1 2040,1985 r0 top (schematic designator R13)
R13_b7 "Res1" 0603-1 2040,1545 r0 top (schematic designator R13)
R13_b8 "Res1" 0603-1 2040,1105 r0 top (schematic designator R13)
R13_b9 "Res1" 0603-1 2040,665 r0 top (schematic designator R13)
R13_b10 "Res1" 0603-1 2040,225 r0 top (schematic designator R13)
R13_b11 "Res1" 0603-1 5190,3305 r0 top (schematic designator R13)
R13_b12 "Res1" 0603-1 5190,2865 r0 top (schematic designator R13)
R13_b13 "Res1" 0603-1 5190,2425 r0 top (schematic designator R13)
R13_b14 "Res1" 0603-1 5190,1985 r0 top (schematic designator R13)
R13_b15 "Res1" 0603-1 5190,1545 r0 top (schematic designator R13)
R13_b16 "Res1" 0603-1 5190,1105 r0 top (schematic designator R13)
R13_b17 "Res1" 0603-1 5190,665 r0 top (schematic designator R13)
R13_b18 "Res1" 0603-1 5190,225 r0 top (schematic designator R13)
R14 "Res1" 0603-1 2040,4262 r180 top
R14_b2 "Res1" 0603-1 2040,3822 r180 top (schematic designator R14)
R14_b3 "Res1" 0603-1 2040,3382 r180 top (schematic designator R14)
R14_b4 "Res1" 0603-1 2040,2942 r180 top (schematic designator R14)
R14_b5 "Res1" 0603-1 2040,2502 r180 top (schematic designator R14)
R14_b6 "Res1" 0603-1 2040,2062 r180 top (schematic designator R14)
R14_b7 "Res1" 0603-1 2040,1622 r180 top (schematic designator R14)
R14_b8 "Res1" 0603-1 2040,1182 r180 top (schematic designator R14)
R14_b9 "Res1" 0603-1 2040,742 r180 top (schematic designator R14)
R14_b10 "Res1" 0603-1 2040,302 r180 top (schematic designator R14)
R14_b11 "Res1" 0603-1 5190,3382 r180 top (schematic designator R14)
R14_b12 "Res1" 0603-1 5190,2942 r180 top (schematic designator R14)
R14_b13 "Res1" 0603-1 5190,2502 r180 top (schematic designator R14)
R14_b14 "Res1" 0603-1 5190,2062 r180 top (schematic designator R14)
R14_b15 "Res1" 0603-1 5190,1622 r180 top (schematic designator R14)
R14_b16 "Res1" 0603-1 5190,1182 r180 top (schematic designator R14)
R14_b17 "Res1" 0603-1 5190,742 r180 top (schematic designator R14)
R14_b18 "Res1" 0603-1 5190,302 r180 top (schematic designator R14)
R15 "Res1" 0603-1 4669,4389 r180 top
R16 "Res1" 0603-1 4825,3905 r90 top
R17 "Res1" 0603-1 4885,4485 r90 top
R18 "Res1" 0603-1 4669,4312 r180 top
R19 "Res1" 0603-1 4154,4428 r90 top
R20 "Res1" 0603-1 4111,4541 r0 top
R21 "Res1" 0603-1 4334,4260 r180 top
R22 "Res1" 0603-1 5050,3901.46 r90 top
R23 "Res1" 0603-1 5128.67,3901.46 r90 top
R24 "Res1" 0603-1 5207.33,3901.46 r90 top
R25 "Res1" 0603-1 5286,3901.46 r90 top
R26 "Res1" 0603-1 4334,4179 r180 top
R27 "Res1" 0603-1 4334,4095 r180 top
R28 "Res1" 0603-1 3776,4113 r270 top
R29 "Res1" 0603-1 4334,4015 r180 top
R30 "Res1" 0603-1 3985,3826 r180 top
R31 "Res1" 0603-1 4191,3952 r270 top
U1 "LM317" SOT223 3944,4353 r270 top
U2 "74HC74" SOIC-14 4608.47,4013 r0 top

## Footprints (in the part's own frame and the unit in brackets; to place one, negate y for a bottom-side part, rotate by r counter-clockwise, add the part's x,y. Pads: shape width x height; smd on the part's side, far side on the other; paste and mask are expansions set on the pad)
0603-1 [mm] "0603带丝印"
  rect 1.1x1 smd: 1(-0.85,0) 2(0.85,0)
  silkscreen extent -1.65,-0.76 1.65,0.76, body extent -0.8,-0.4 0.8,0.4, height 0.3
AXIAL-1.0 [mm] "Adjustable Magnetic-Core Inductor; 2 Leads"
  round 1.65 hole 1: 1(-12.7,0) 2(12.7,0)
  silkscreen extent -10.79,-3.81 10.79,3.81
C-0603 [mm] "贴片电容"
  rect 1.1x1 smd: 1(-0.85,0) 2(0.85,0)
  silkscreen extent -1.73,-0.76 1.73,0.76, body extent -0.8,-0.4 0.8,0.4, height 0.3